# Altium PCB Proyecto_0-Buck_Up.PcbDoc (part 1 of 5)
Units mil, origin at the board's own origin, x right, y up, seen from the top; angles counter-clockwise.
Board outline 2559.06 x 1771.65 mil, 10 copper layers (TOP, GND[1], VDD[1], Signal[1], GND[2], VDD[2], Signal[2], GND[3], VDD[3], Bottom Layer), stack 79.883 mil thick; 191 components, 257 nets, 1114 pads, 633 vias.
Unrouted connection lines stored in the file: 488.
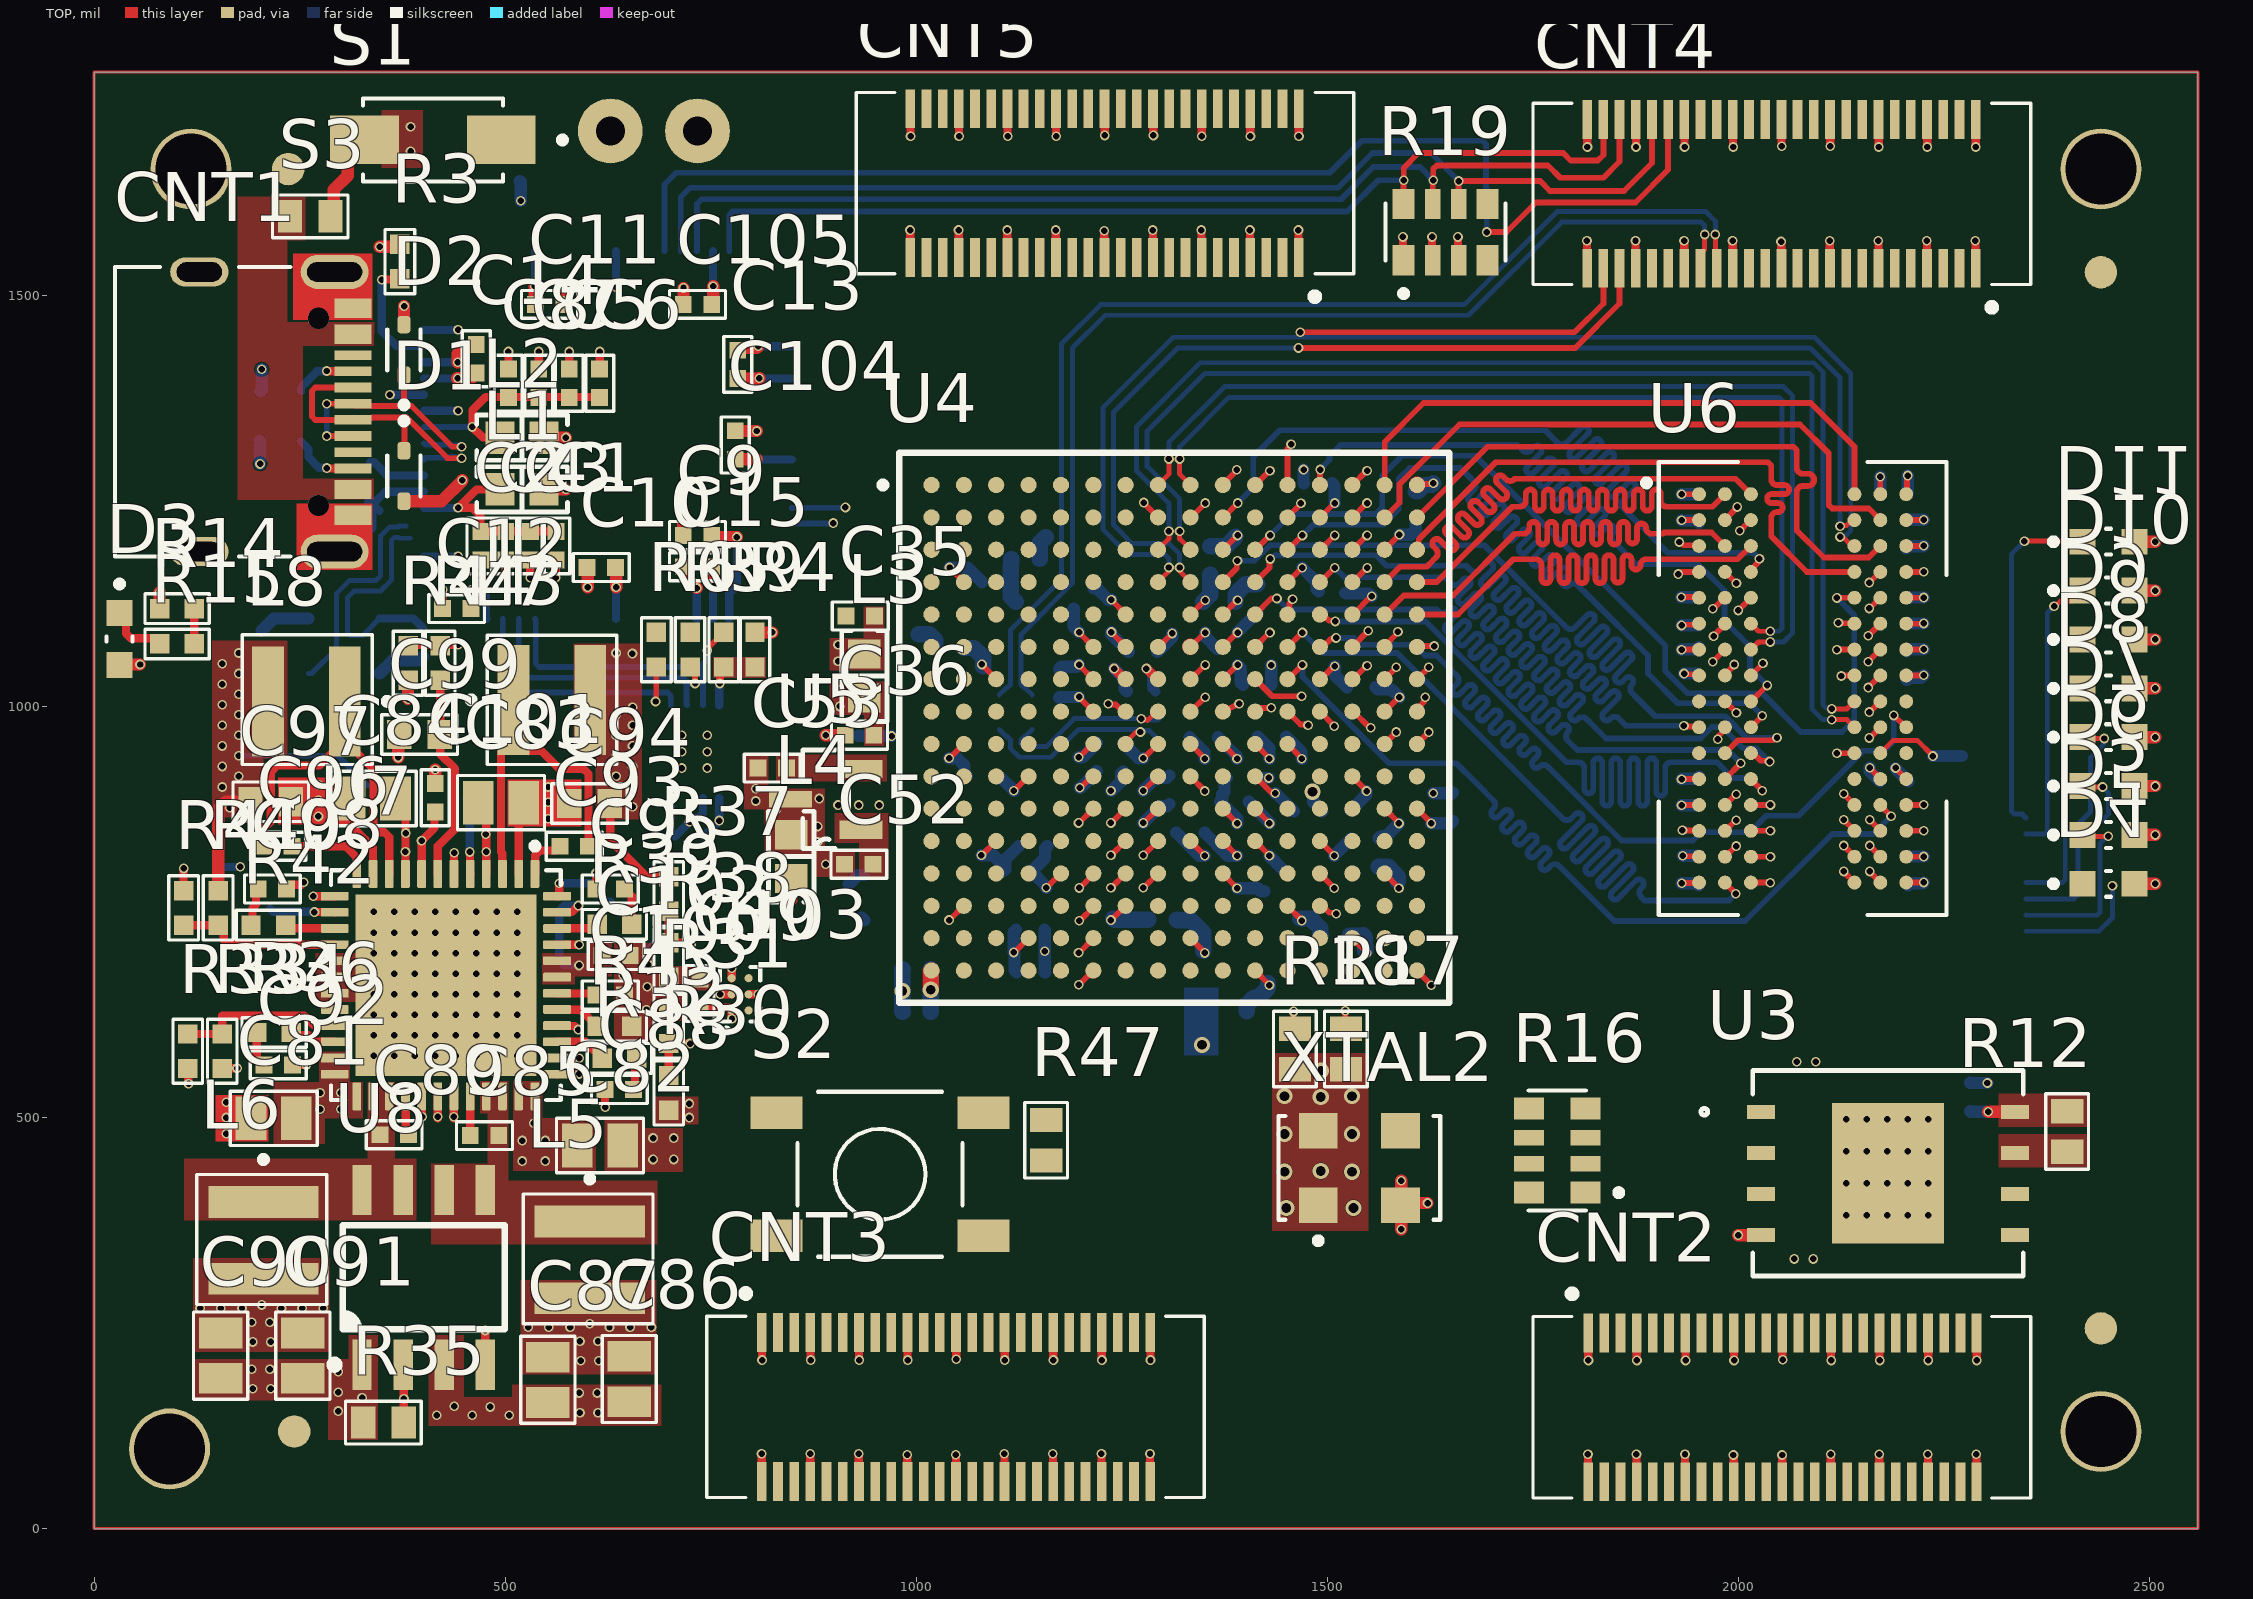
[diagram p0: TOP view]
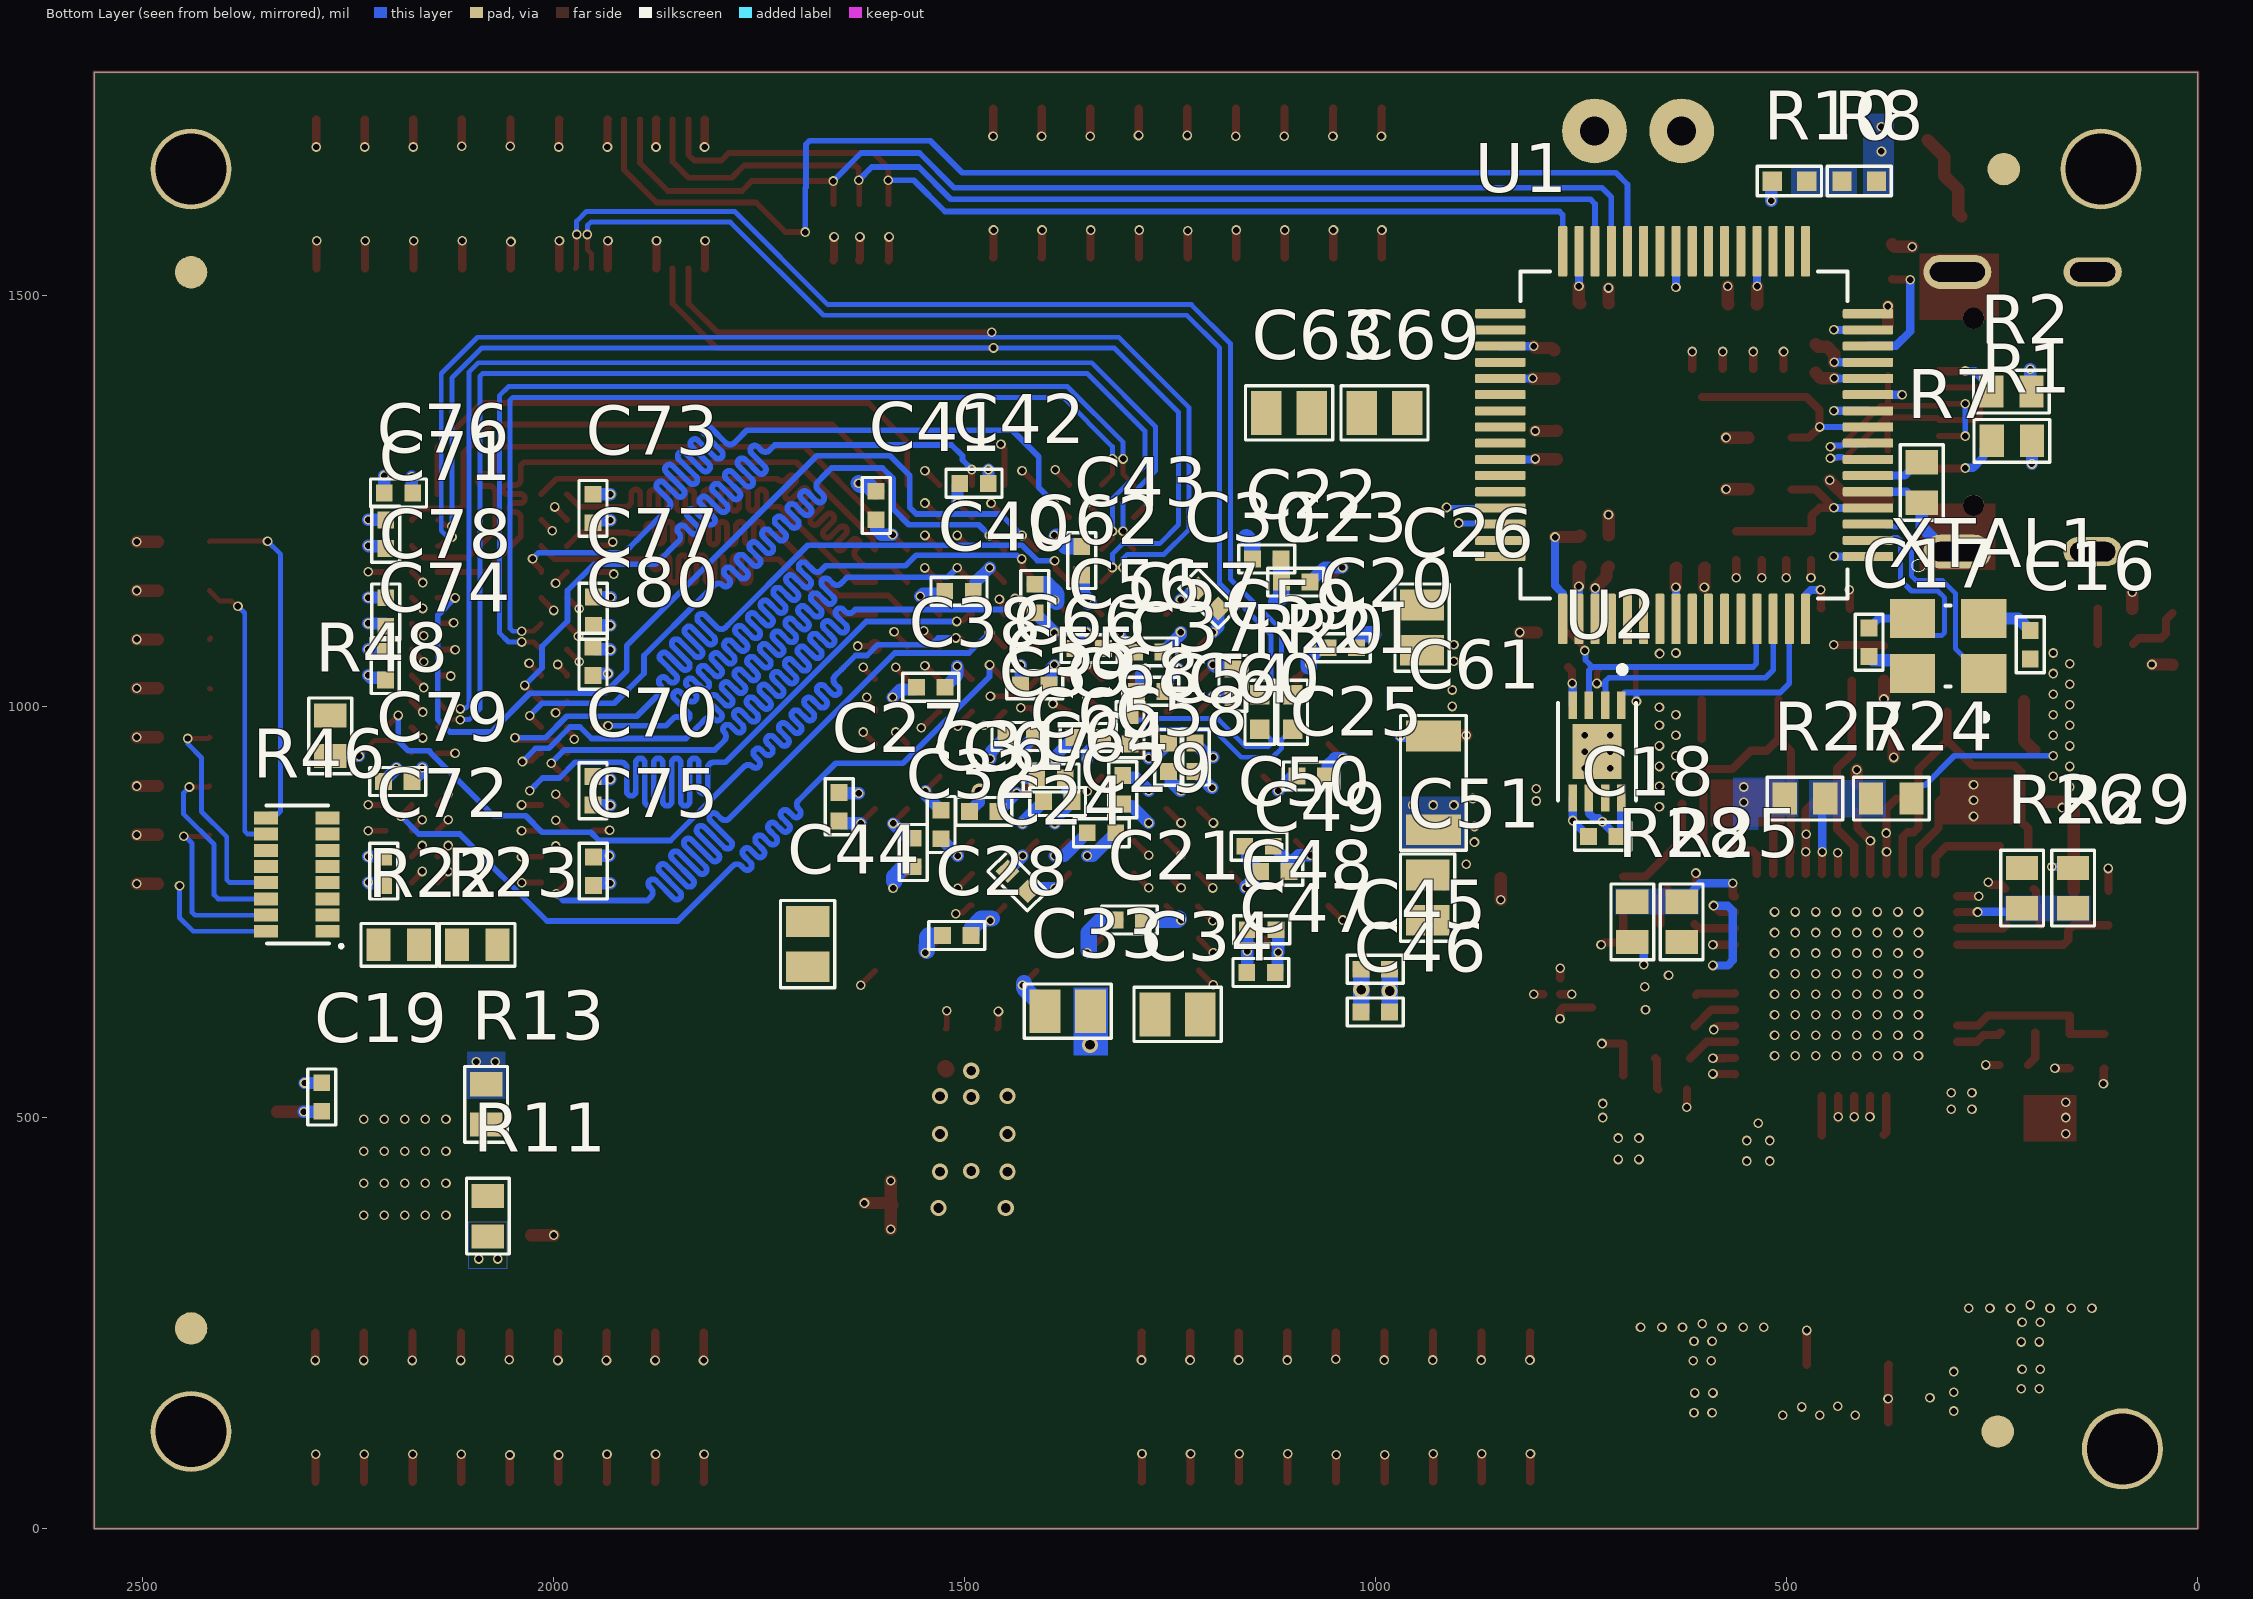
[diagram p1: Bottom Layer view, seen from below]
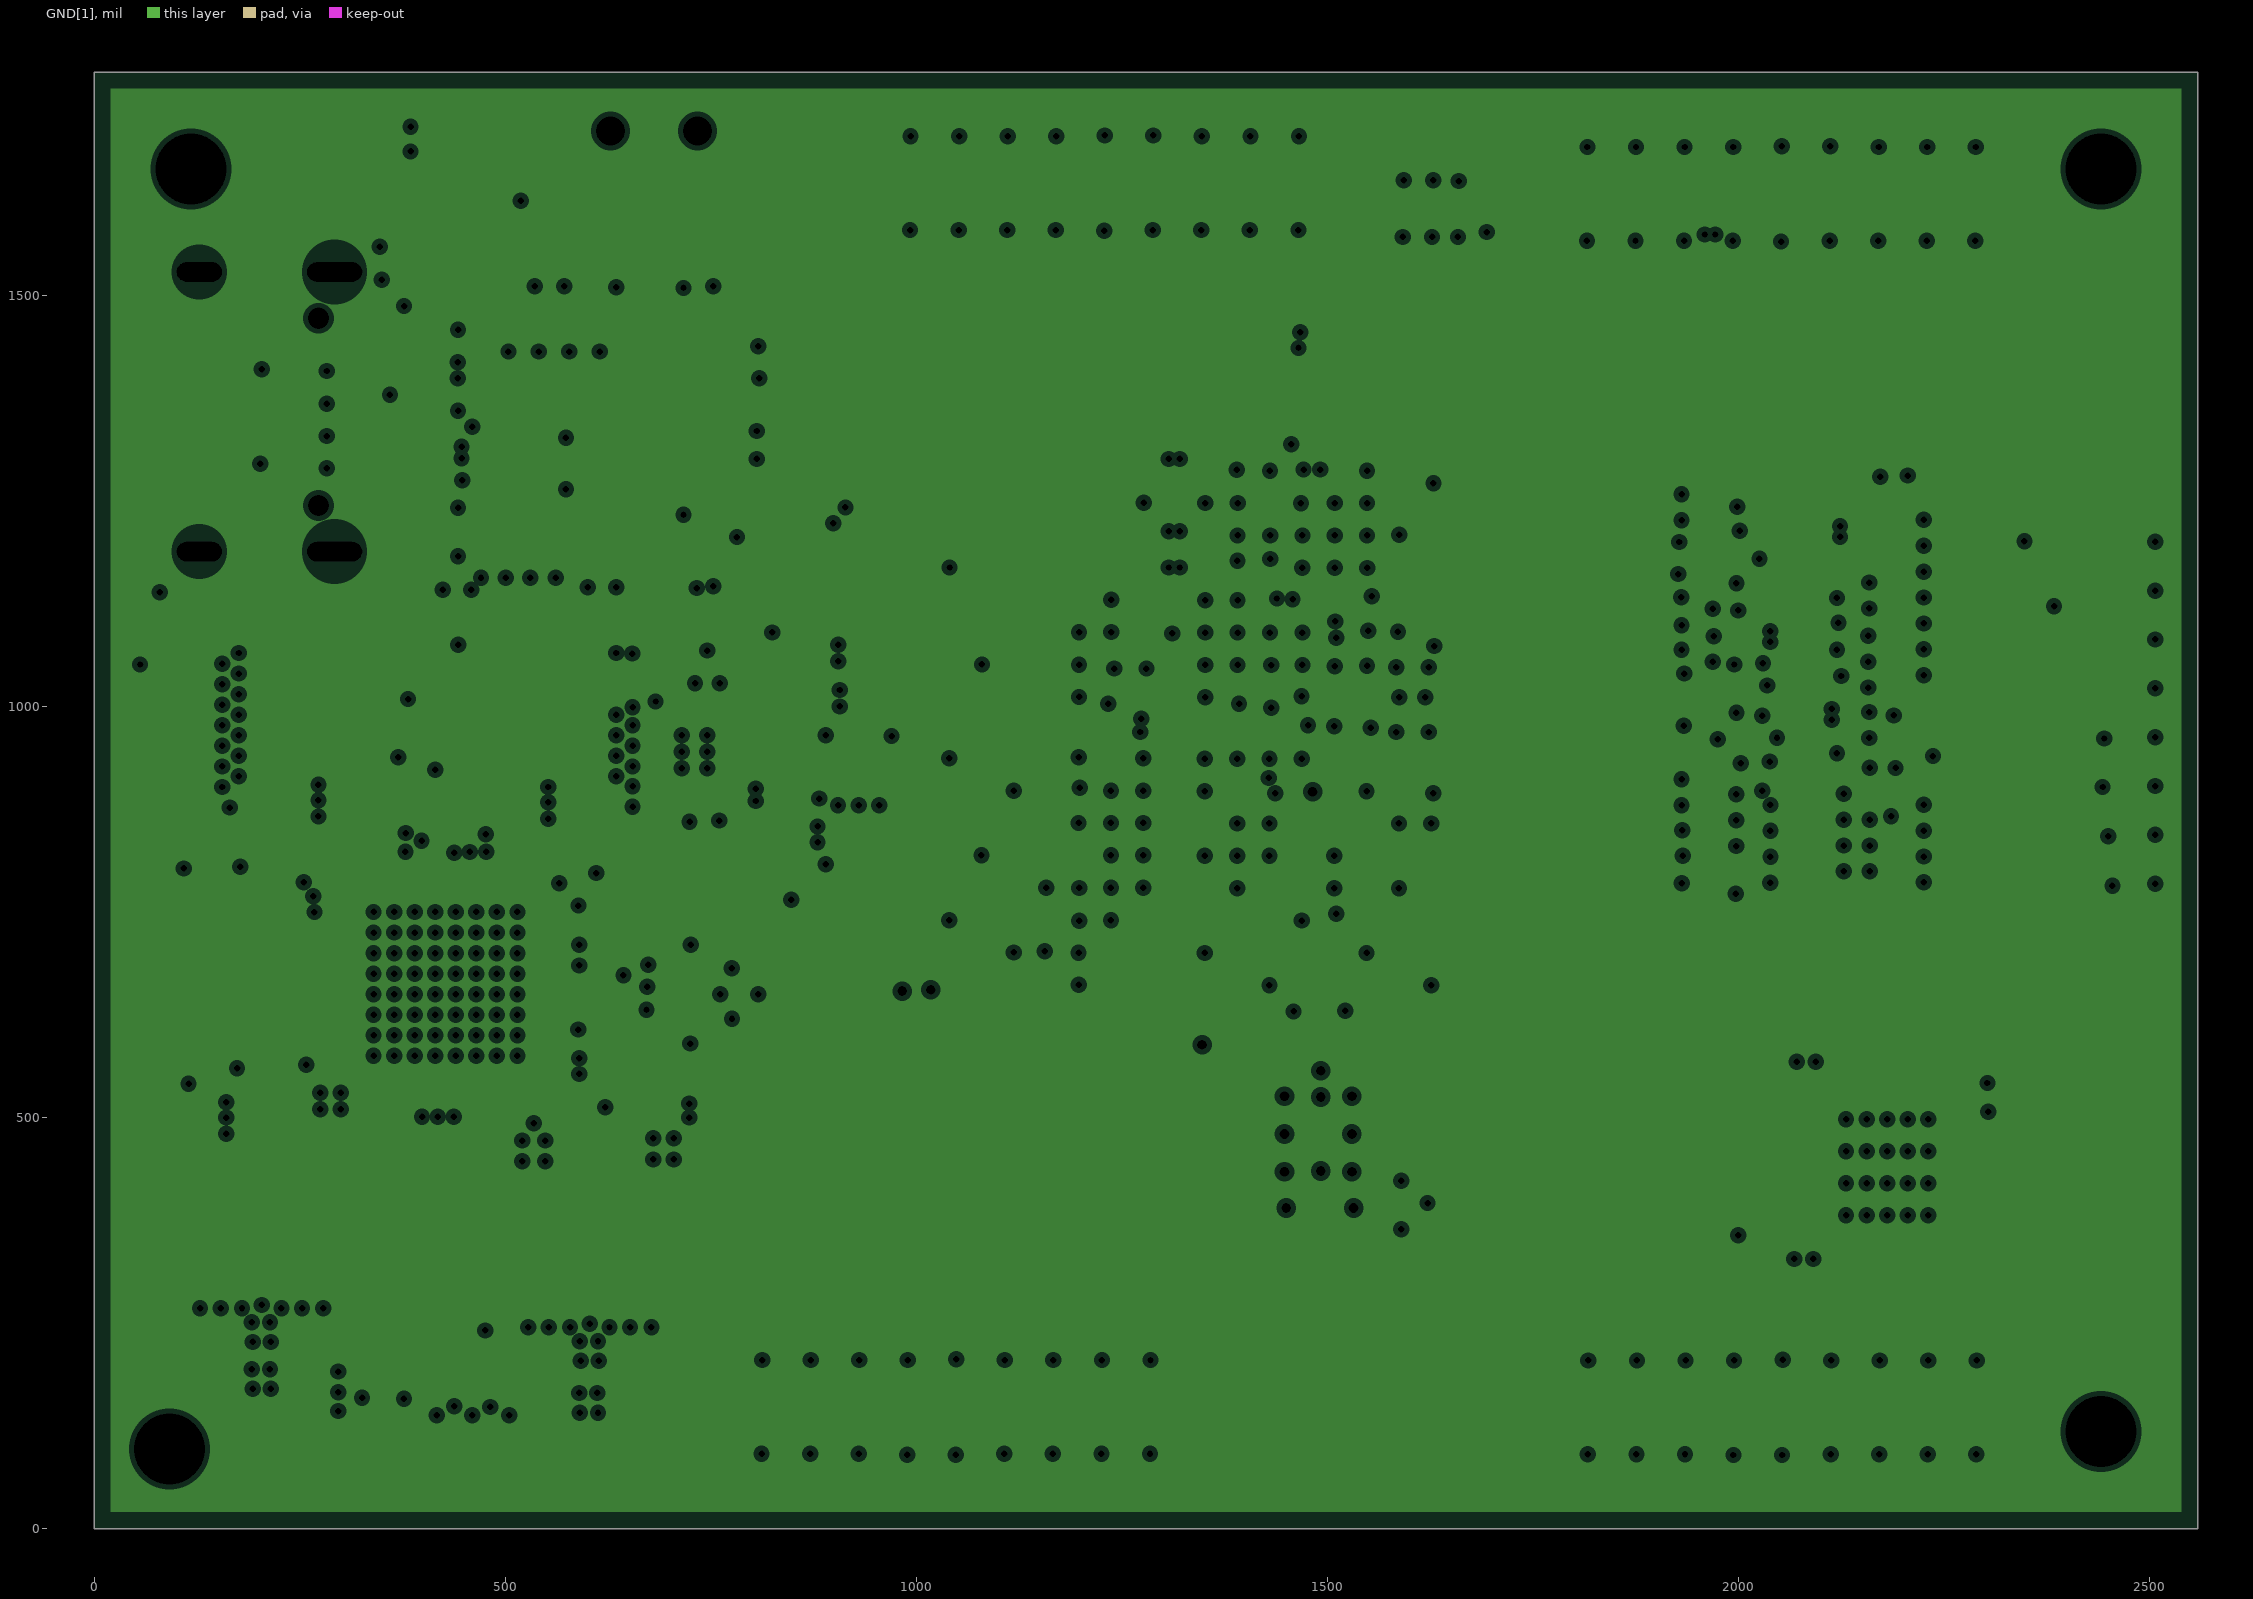
[diagram p2: GND[1], clearances drawn from the general rule]